# KiCad board RemBreak.kicad_pcb
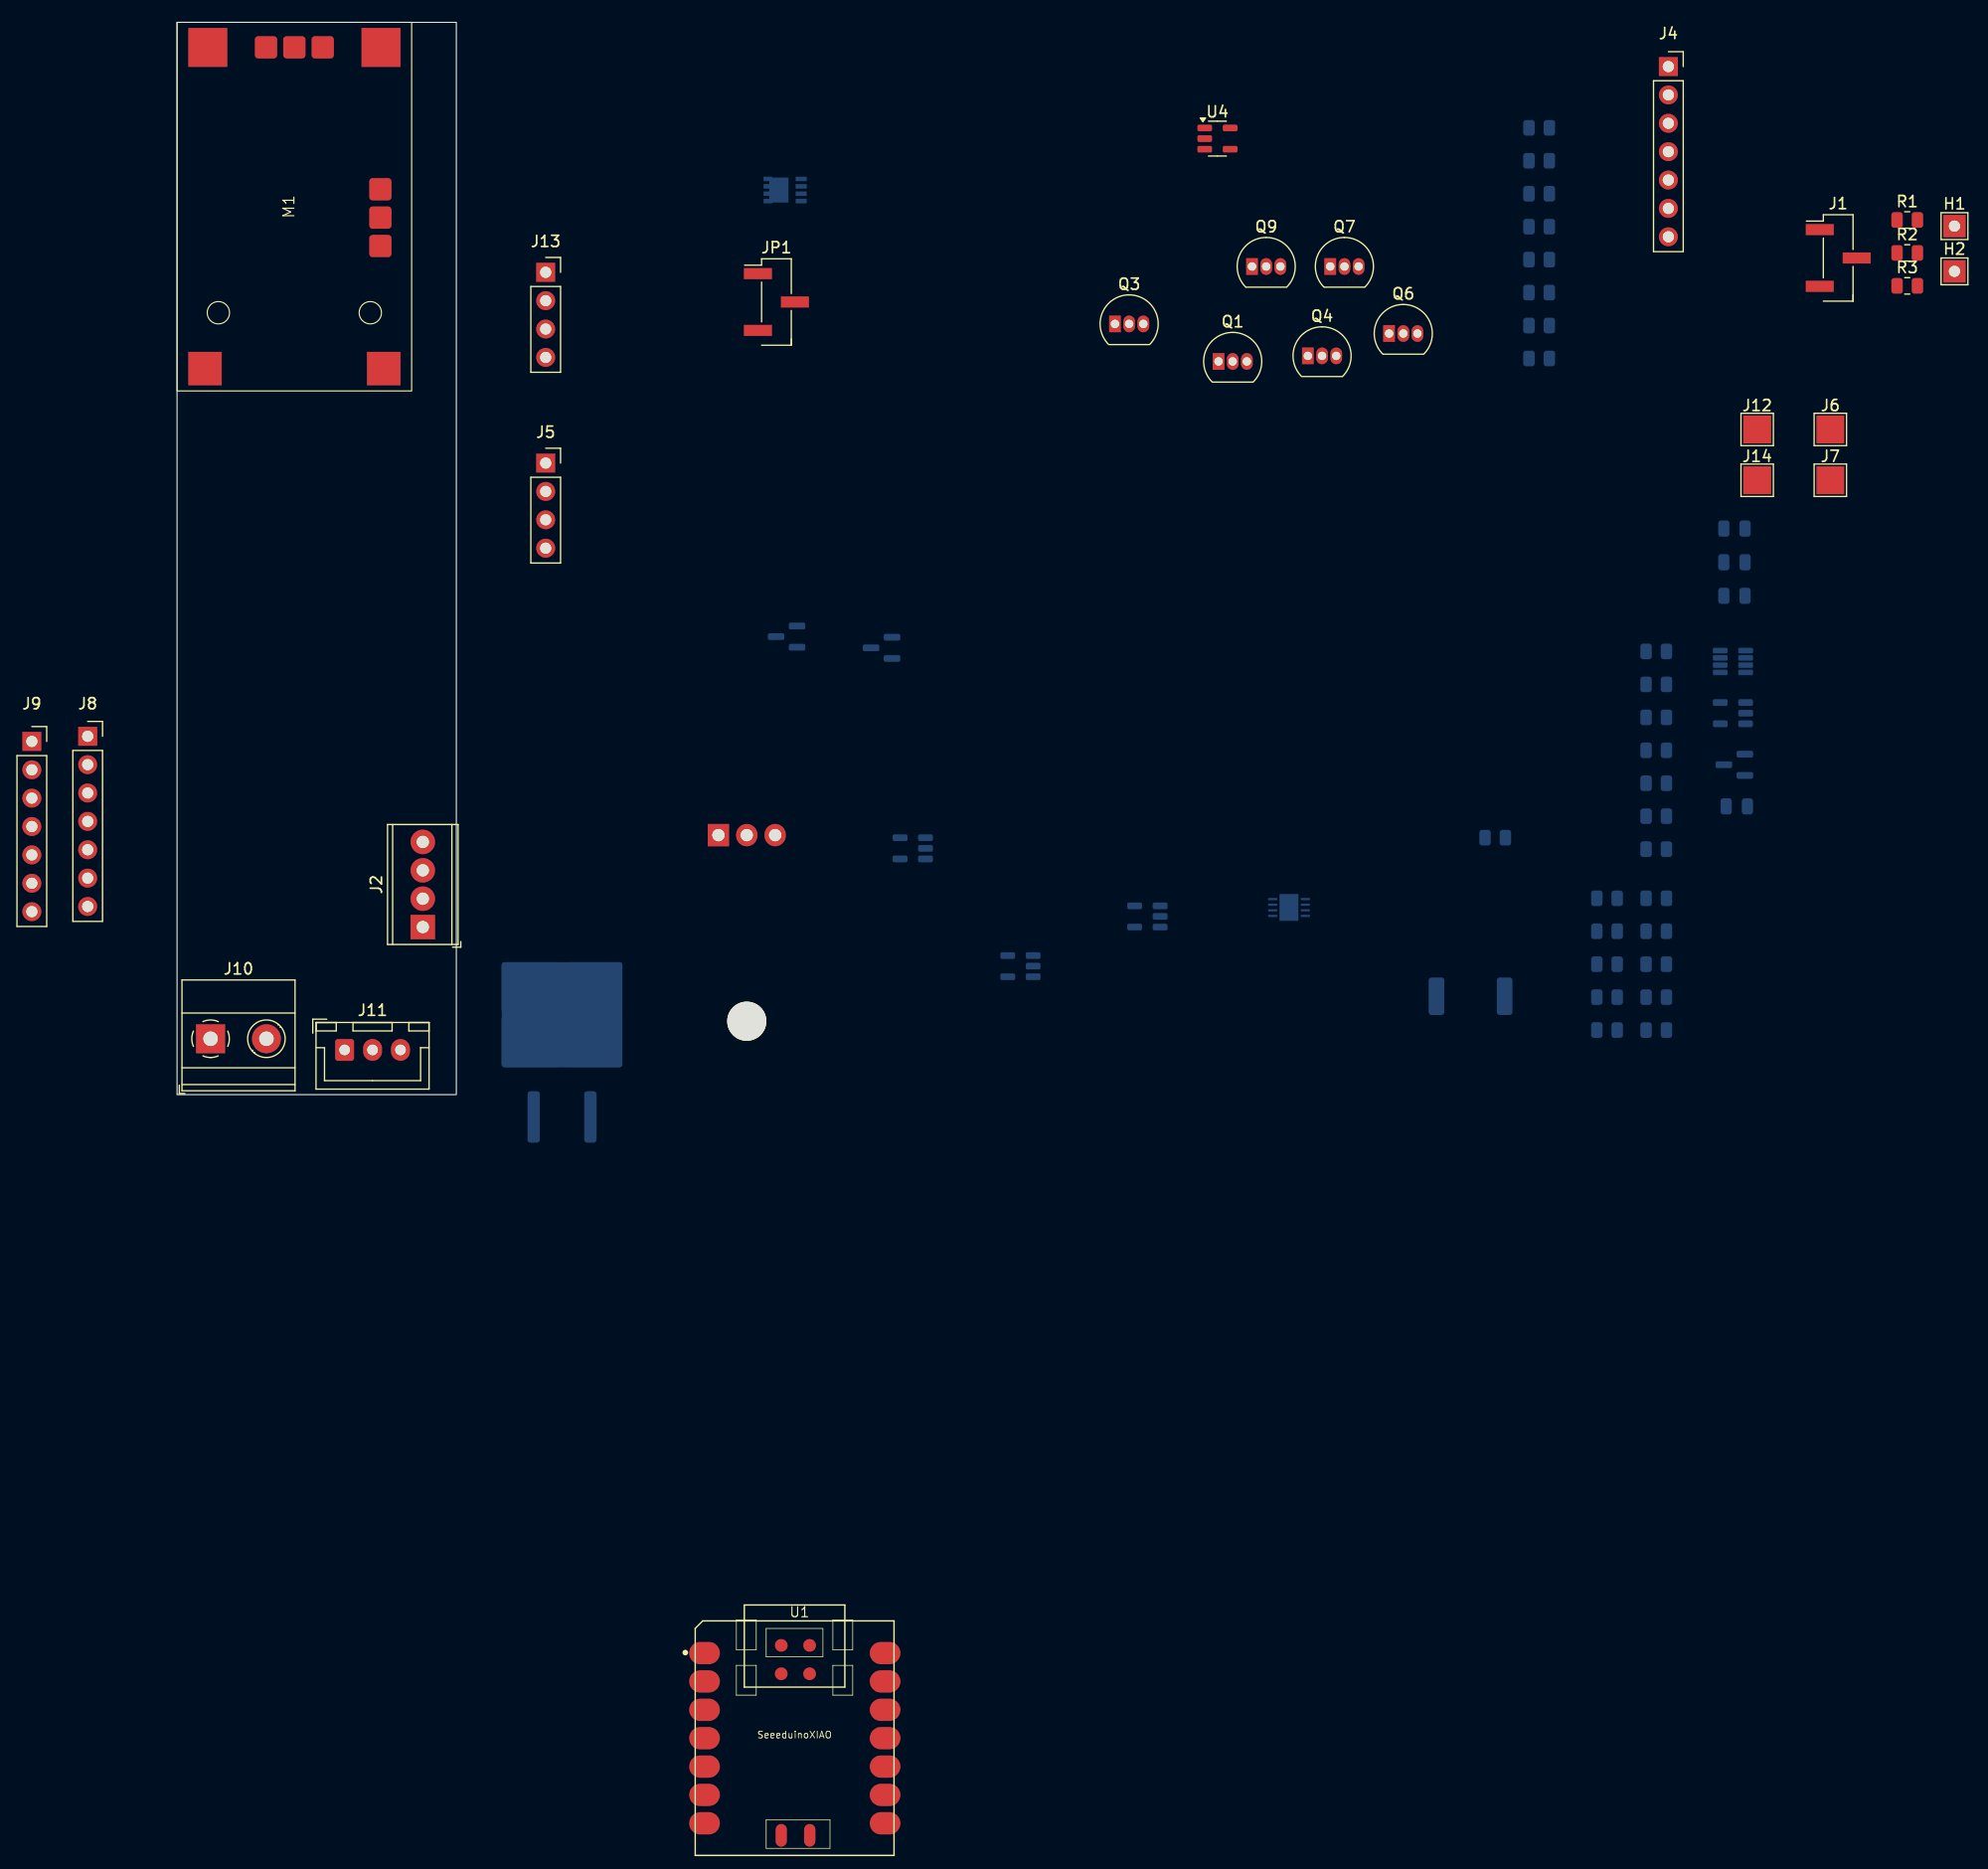
[diagram p0: board, top side]
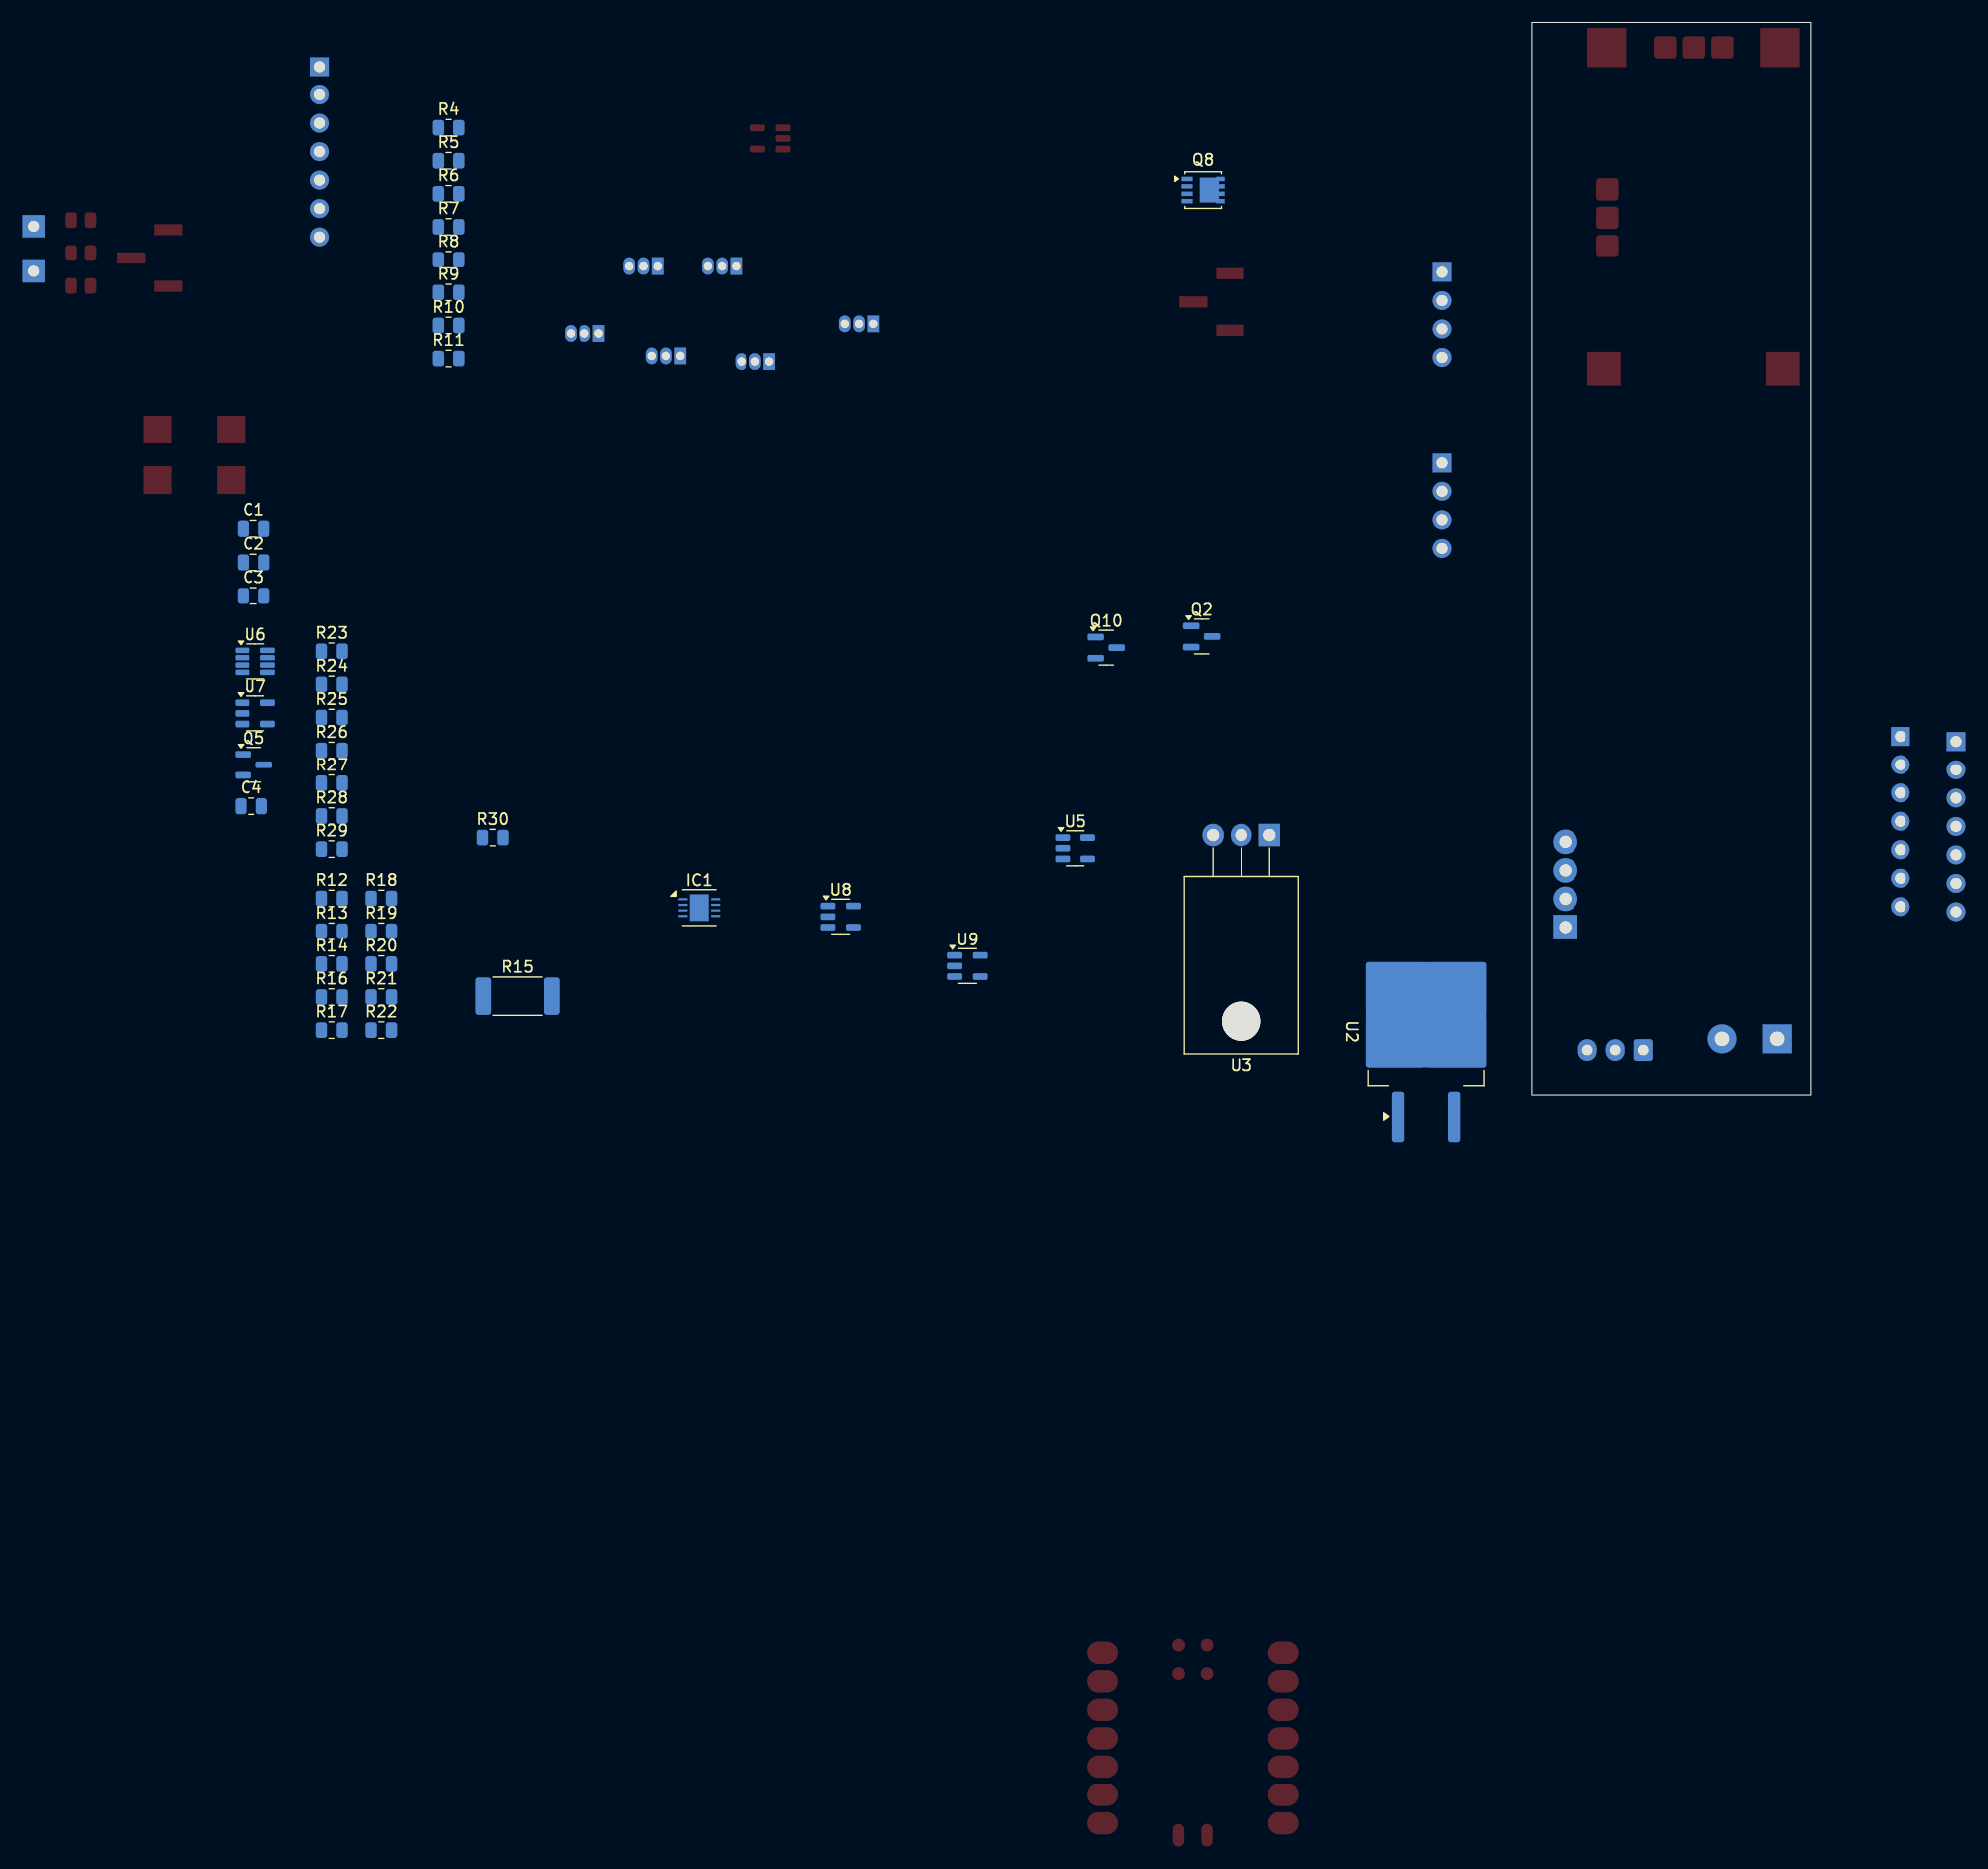
[diagram p1: board, bottom side, seen from below]

Outline 25 x 96 mm; copper layers: Top, Bottom. Coordinates in mm from the lower left corner of the outline.
Outline path: rectangle 0,96 25,0

## Placement (name value [footprint] x y rotation side)
C1  0.1uF  [C_0805_2012Metric]  139.42 50.67 180 bottom
C2  0.1uF  [C_0805_2012Metric]  139.42 47.67 180 bottom
C3  10uF  [C_0805_2012Metric]  139.42 44.66 180 bottom
C4  100nF  [C_0805_2012Metric]  139.63 25.81 180 bottom  (not fitted)
H1  MountingHole_Pad  [TestPoint_THTPad_2.0x2.0mm_Drill1.0mm]  159.11 77.75 0 top
H2  MountingHole_Pad  [TestPoint_THTPad_2.0x2.0mm_Drill1.0mm]  159.11 73.7 0 top
IC1  LTC2943IDD#TRPBF  [DFN-8-1EP_3x3mm_P0.5mm_EP1.7x2.4mm]  99.54 16.75 180 bottom
J1  Conn_01x03  [PinHeader_1x03_P2.54mm_Vertical_SMD_Pin1Left]  148.7 74.91 0 top
J2  Conn_01x04  [TerminalBlock_Phoenix_MPT-0,5-4-2.54_1x04_P2.54mm_Horizontal]  22 15 90 top
J4  Conn_01x07  [PinSocket_1x07_P2.54mm_Vertical]  133.5 92.04 0 top
J5  Conn_01x04  [PinSocket_1x04_P2.54mm_Vertical]  33 56.54 0 top
J6  Conn_01x01  [TestPoint_Pad_2.5x2.5mm]  148 59.55 0 top
J7  Conn_01x01  [TestPoint_Pad_2.5x2.5mm]  148 55 0 top
J8  Conn_01x07  [PinSocket_1x07_P2.54mm_Vertical]  -8 32.08 0 top
J9  Conn_01x07  [PinSocket_1x07_P2.54mm_Vertical]  -13 31.62 0 top
J10  Screw_Terminal_01x02  [TerminalBlock_Phoenix_MKDS-1,5-2_1x02_P5.00mm_Horizontal]  3 5 0 top
J11  Conn_01x03  [JST_XH_B3B-XH-A_1x03_P2.50mm_Vertical]  15 4 0 top
J12  Conn_01x01  [TestPoint_Pad_2.5x2.5mm]  141.45 59.55 0 top
J13  Conn_01x04  [PinSocket_1x04_P2.54mm_Vertical]  33 73.62 0 top
J14  Conn_01x01  [TestPoint_Pad_2.5x2.5mm]  141.45 55 0 top
JP1  Jumper_3_Open  [PinHeader_1x03_P2.54mm_Vertical_SMD_Pin1Left]  53.66 70.96 0 top
M1  ~  [USBC_charger]  10.5 79.5 90 top
Q1  BC337  [TO-92_Inline]  93.23 65.64 0 top
Q2  BC847  [SOT-23]  54.56 41 180 bottom  (not fitted)
Q3  BC337  [TO-92_Inline]  83.96 69 0 top
Q4  BC337  [TO-92_Inline]  101.23 66.14 0 top
Q5  BC847  [SOT-23]  139.41 29.53 180 bottom  (not fitted)
Q6  BC337  [TO-92_Inline]  108.5 68.14 0 top
Q7  BC337  [TO-92_Inline]  103.23 74.14 0 top
Q8  SiS415DNT  [Vishay_PowerPAK_1212-8_Single]  54.44 80.99 180 bottom
Q9  BC337  [TO-92_Inline]  96.23 74.14 0 top
Q10  BC847  [SOT-23]  63.06 40 180 bottom  (not fitted)
R1  0R  [R_0805_2012Metric]  154.88 78.31 0 top
R2  0R  [R_0805_2012Metric]  154.88 75.35 0 top  (not fitted)
R3  0R  [R_0805_2012Metric]  154.88 72.41 0 top  (not fitted)
R4  4k2  [R_0805_2012Metric]  121.93 86.56 180 bottom
R5  4k2  [R_0805_2012Metric]  121.93 83.6 180 bottom  (not fitted)
R6  5k  [R_0805_2012Metric]  121.93 80.66 180 bottom
R7  10k  [R_0805_2012Metric]  121.93 77.7 180 bottom
R8  4k2  [R_0805_2012Metric]  121.93 74.75 180 bottom  (not fitted)
R9  0R  [R_0805_2012Metric]  121.93 71.81 180 bottom
R10  10k  [R_0805_2012Metric]  121.93 68.85 180 bottom
R11  10k  [R_0805_2012Metric]  121.93 65.91 180 bottom
R12  10k  [R_0805_2012Metric]  132.42 17.58 180 bottom
R13  10k  [R_0805_2012Metric]  132.42 14.62 180 bottom
R14  10  [R_0805_2012Metric]  132.42 11.67 180 bottom
R15  001R  [R_2512_6332Metric_Pad1.40x3.35mm_HandSolder]  115.79 8.81 180 bottom
R16  10  [R_0805_2012Metric]  132.42 8.72 180 bottom
R17  4k2  [R_0805_2012Metric]  132.42 5.78 180 bottom
R18  4k2  [R_0805_2012Metric]  128.01 17.58 180 bottom  (not fitted)
R19  10k  [R_0805_2012Metric]  128.01 14.62 180 bottom
R20  4k2  [R_0805_2012Metric]  128.01 11.67 180 bottom  (not fitted)
R21  0R  [R_0805_2012Metric]  128.01 8.72 180 bottom
R22  10k  [R_0805_2012Metric]  128.01 5.78 180 bottom
R23  50k  [R_0805_2012Metric]  132.42 39.67 180 bottom
R24  100k  [R_0805_2012Metric]  132.42 36.72 180 bottom
R25  10k  [R_0805_2012Metric]  132.42 33.78 180 bottom
R26  10k  [R_0805_2012Metric]  132.42 30.83 180 bottom
R27  10k  [R_0805_2012Metric]  132.42 27.88 180 bottom
R28  0R  [R_0805_2012Metric]  132.42 24.92 180 bottom  (not fitted)
R29  0R  [R_0805_2012Metric]  132.42 21.97 180 bottom  (not fitted)
R30  47k  [R_0805_2012Metric]  118 23 180 bottom
U1  SeeeduinoXIAO  [Seeeduino XIAO-MOUDLE14P-2.54-21X17.8MM]  46.39 -68.12 0 top
U2  L7805  [TO-263-2]  34.46 5.65 90 bottom
U3  L7805  [TO-220-3_Horizontal_TabDown]  48.46 23.23 0 bottom  (not fitted)
U4  XC6220B331MR  [SOT-23-5]  93.13 85.59 0 top
U5  MAX40200AUK  [SOT-23-5]  65.86 22.05 180 bottom
U6  INA219BxDCN  [SOT-23-8]  139.28 38.78 180 bottom
U7  MAX40200AUK  [SOT-23-5]  139.28 34.15 180 bottom
U8  BD48ExxG  [SOT-23-5]  86.86 15.95 180 bottom
U9  BD48ExxG  [SOT-23-5]  75.5 11.5 180 bottom

## Library data of the parts
C1 C2 = -: Description: Polarized capacitor; ki_fp_filters: CP_*
C3 C4 = -: Description: Unpolarized capacitor; ki_fp_filters: C_*
H1 H2 = -: Description: Mounting Hole with connection; ki_fp_filters: MountingHole*Pad*
IC1 = -: Datasheet: https://www.mouser.in/datasheet/2/609/2943fa-1271567.pdf; Description: Battery Management 20V Battery Gas Gauge with Voltage, Current & Temperature Measurement; Height: 0.8; Mouser Part Number: 584-LTC2943IDD#TRPBF; Mouser Price/Stock: https://www.mouser.co.uk/ProductDetail/Analog-Devices/LTC2943IDDTRPBF?qs=hVkxg5c3xu8j%252BJ6DK3jV8w%3D%3D; Manufacturer_Name: Analog Devices
J1 J11 = -: Description: Generic connector, single row, 01x03, script generated (kicad-library-utils/schlib/autogen/connector/); ki_fp_filters: Connector*:*_1x??_*
J2 J5 J13 = -: Description: Generic connector, single row, 01x04, script generated (kicad-library-utils/schlib/autogen/connector/); ki_fp_filters: Connector*:*_1x??_*
J4 J8 J9 = -: Description: Generic connector, single row, 01x07, script generated (kicad-library-utils/schlib/autogen/connector/); ki_fp_filters: Connector*:*_1x??_*
J6 J7 J12 J14 = -: Description: Generic connector, single row, 01x01, script generated (kicad-library-utils/schlib/autogen/connector/); ki_fp_filters: Connector*:*_1x??_*
J10 = -: Description: Generic screw terminal, single row, 01x02, script generated (kicad-library-utils/schlib/autogen/connector/); ki_fp_filters: TerminalBlock*:*
JP1 = -: Description: Jumper, 3-pole, both open; ki_fp_filters: Jumper* TestPoint*3Pads* TestPoint*Bridge*
Q1 Q3 Q4 Q6 Q7 Q9 = -: Datasheet: https://diotec.com/tl_files/diotec/files/pdf/datasheets/bc337.pdf; Description: 0.8A Ic, 45V Vce, NPN Transistor, TO-92; ki_fp_filters: TO?92*
Q2 Q5 Q10 = -: Datasheet: http://www.infineon.com/dgdl/Infineon-BC847SERIES_BC848SERIES_BC849SERIES_BC850SERIES-DS-v01_01-en.pdf?fileId=db3a304314dca389011541d4630a1657; Description: 0.1A Ic, 45V Vce, NPN Transistor, SOT-23; ki_fp_filters: SOT?23*
Q8 = -: Datasheet: https://www.vishay.com/docs/63684/sis415dnt.pdf; Description: -35A Id, -20V Vds, P-Channel MOSFET, PowerPAK 1212-8 Single; ki_fp_filters: Vishay*PowerPAK*1212*Single*
R1-R30 = -: Description: Resistor; ki_fp_filters: R_*
U2 U3 = -: Datasheet: http://www.st.com/content/ccc/resource/technical/document/datasheet/41/4f/b3/b0/12/d4/47/88/CD00000444.pdf/files/CD00000444.pdf/jcr:content/translations/en.CD00000444.pdf; Description: Positive 1.5A 35V Linear Regulator, Fixed Output 5V, TO-220/TO-263/TO-252; ki_fp_filters: TO?252* TO?263* TO?220*
U4 = -: Datasheet: https://www.torexsemi.com/file/xc6220/XC6220.pdf; Description: 1A, Low Drop-out Voltage Regulator, Fixed Output 3.3V, SOT-23-5; ki_fp_filters: SOT?23*
U5 U7 = -: Datasheet: https://datasheets.maximintegrated.com/en/ds/MAX40200.pdf; Description: Ideal Diode, Ultra-Low Voltage Drop, 1.5-5.5V, 1A, SOT-23-5; ki_fp_filters: SOT?23*
U6 = -: Datasheet: http://www.ti.com/lit/ds/symlink/ina219.pdf; Description: Zero-Drift, HighAccuracy, Bidirectional Current/Power Monitor (0-26V) With I2C Interface, SOT-23-8; ki_fp_filters: SOT?23*
U8 U9 = -: Datasheet: https://www.rohm.de/datasheet/BD4830FVE/bd48xxg-e; Description: Standard CMOS Voltage Detector IC, Open Drain Output, SSOP5; ki_fp_filters: *SOT-23*5*

## Footprints (pads in the part's own frame, mm; a bottom-side part is the same pattern mirrored in y, then rotated)
C_0805_2012Metric
  rrect 1x1.45 smd: 1(-0.95,0) 2(0.95,0)
DFN-8-1EP_3x3mm_P0.5mm_EP1.7x2.4mm
  rrect 1.37x1.93 smd: (0,0)
  rrect 0.825x0.2 smd: 1(-1.462,0.75) 2(-1.462,0.25) 3(-1.462,-0.25) 4(-1.462,-0.75) 5(1.462,-0.75) 6(1.462,-0.25) 7(1.462,0.25) 8(1.462,0.75)
  rect 1.7x2.4 smd: 9(0,0)
JST_XH_B3B-XH-A_1x03_P2.50mm_Vertical
  rrect 1.7x1.95 hole 0.95: 1(0,0)
  oval 1.7x1.95 hole 0.95: 2(2.5,0) 3(5,0)
PinHeader_1x03_P2.54mm_Vertical_SMD_Pin1Left
  rect 2.51x1 smd: 1(-1.655,2.54) 2(1.655,0) 3(-1.655,-2.54)
PinSocket_1x04_P2.54mm_Vertical
  rect 1.7x1.7 hole 1: 1(0,0)
  oval 1.7x1.7 hole 1: 2(0,-2.54) 3(0,-5.08) 4(0,-7.62)
PinSocket_1x07_P2.54mm_Vertical
  rect 1.7x1.7 hole 1: 1(0,0)
  oval 1.7x1.7 hole 1: 2(0,-2.54) 3(0,-5.08) 4(0,-7.62) 5(0,-10.16) 6(0,-12.7) 7(0,-15.24)
R_0805_2012Metric
  rrect 1.025x1.4 smd: 1(-0.912,0) 2(0.912,0)
R_2512_6332Metric_Pad1.40x3.35mm_HandSolder
  rrect 1.4x3.35 smd: 1(-3.05,0) 2(3.05,0)
Seeeduino XIAO-MOUDLE14P-2.54-21X17.8MM
  oval 2.748x1.999 smd: 1(0.833,18.118) 2(0.833,15.578) 3(0.833,13.038) 4(0.833,10.498) 5(0.833,7.958) 6(0.833,5.418) 7(0.833,2.878) 8(16.998,2.878) 9(16.998,5.418) 10(16.998,7.958) 11(16.998,10.498) 12(16.998,13.038) 13(16.998,15.578) 14(16.998,18.118)
  oval 1.016x2.032 smd: 15(7.7,1.8) 16(10.25,1.8)
  round 1.143 smd: 17(7.699,18.804) 18(10.239,18.804) 19(7.699,16.264) 20(10.239,16.264)
SOT-23
  rrect 1.475x0.6 smd: 1(-0.938,0.95) 2(-0.938,-0.95) 3(0.938,0)
SOT-23-5
  rrect 1.325x0.6 smd: 1(-1.137,0.95) 2(-1.137,0) 3(-1.137,-0.95) 4(1.137,-0.95) 5(1.137,0.95)
SOT-23-8
  rrect 1.325x0.5 smd: 1(-1.137,0.975) 2(-1.137,0.325) 3(-1.137,-0.325) 4(-1.137,-0.975) 5(1.137,-0.975) 6(1.137,-0.325) 7(1.137,0.325) 8(1.137,0.975)
TerminalBlock_Phoenix_MKDS-1,5-2_1x02_P5.00mm_Horizontal
  rect 2.6x2.6 hole 1.3: 1(0,0)
  round 2.6 hole 1.3: 2(5,0)
TerminalBlock_Phoenix_MPT-0,5-4-2.54_1x04_P2.54mm_Horizontal
  rect 2.2x2.2 hole 1.1: 1(0,0)
  round 2.2 hole 1.1: 2(2.54,0) 3(5.08,0) 4(7.62,0)
TestPoint_Pad_2.5x2.5mm
  rect 2.5x2.5 smd: 1(0,0)
TestPoint_THTPad_2.0x2.0mm_Drill1.0mm
  rect 2x2 hole 1: 1(0,0)
TO-92_Inline
  rect 1.05x1.5 hole 0.75: 1(0,0)
  oval 1.05x1.5 hole 0.75: 2(1.27,0) 3(2.54,0)
TO-220-3_Horizontal_TabDown
  round 3.5 hole 3.5 unplated: (2.54,16.66)
  rect 1.905x2 hole 1.1: 1(0,0)
  oval 1.905x2 hole 1.1: 2(2.54,0) 3(5.08,0)
TO-263-2
  rrect 4.6x1.1 smd: 1(-7.65,2.54) 3(-7.65,-2.54)
  rrect 4.55x5.25 smd: 2(-0.925,-2.775) 2(-0.925,2.775) 2(3.925,-2.775) 2(3.925,2.775)
  rrect 9.4x10.8 smd: 2(1.5,0)
USBC_charger
  rect 3x3 smd: 1(-14.5,8) 2(-14.5,-8)
  rrect 2x2 smd: 2(1.555,-7.7) 3(14.265,-2.54) 4(14.265,0) 5(14.265,2.54) 6(-3.525,-7.7) 7(-0.985,-7.7)
  rect 3.5x3.5 smd: 3(14.25,-7.75) 5(14.25,7.75)
Vishay_PowerPAK_1212-8_Single
  rect 0.99x0.405 smd: 1(-1.435,0.99) 2(-1.435,0.33) 3(-1.435,-0.33) 4(-1.435,-0.99)
  custom 2.235x2.39 smd: 5(0.557,0)

## Nets
+3V3: J5.1 J9.5 R11.1 R12.1 R13.1 R19.1 R22.1 U5.5 U6.4
+5V: C2.1 J4.2 J13.3 R10.2 U2.3 U3.3 U4.1
/break_control/VBUS: J9.7 R30.2 U7.1 U9.2
/power_manager/VBATT: IC1.1 J14.1 M1.3 Q8.5 R15.2 R16.1 R26.1
GND: C1.2 C2.2 C3.2 H1.1 H2.1 IC1.2 IC1.3 IC1.7 IC1.9 J1.2 J2.2 J4.1 J5.2 J9.6 J10.1 J11.1 J13.4 M1.2 M1.5 Q2.2 Q3.3 Q5.2 Q6.3 Q7.3 Q9.3 R7.1 R8.1 R9.1 R20.1 R21.1 R24.1 U2.2 U3.2 U4.2 U5.2 U6.3 U6.7 U6.8 U7.2 U8.3 U9.3
/break_control/BALARM: J9.2
/break_control/BUTTON: J2.3 J8.7 R11.2
/break_control/BUZZ_pwr: J7.1 R1.2 R3.1
/break_control/CHARGING: J9.3
/break_control/EN: Q3.2 U7.3
/break_control/PWR: C1.1 J12.1 R1.1 R23.2 R25.2 U2.1 U3.1
/break_control/SCL: J5.3 J8.6
/break_control/SDA: J5.4 J8.5
/break_control/SERVO: J1.3 J8.1
/power_manager/BALARM: IC1.6 R22.2
/power_manager/CHARGING: Q4.1 Q5.3 R19.2
/power_switch/EN: JP1.2 R30.1 U9.1
/power_switch/SERVO_pwr: J1.1 Q8.1 Q8.2 Q8.3
Button_RF: J8.2 R6.1 R7.2
BUZZ: J9.4 R4.1 R5.1
Indicator_dcki: J8.4 J13.2
Indicator_di: J8.3 J13.1
Net-(IC1-SENSE-): IC1.8 J10.2 J11.3 R14.1 R15.1
Net-(J2-Pin_1): J2.1 R2.2
Net-(J2-Pin_4): J2.4 R2.1 R3.2
Net-(J4-Pin_3): J4.3 R6.2
Net-(J6-Pin_1): J6.1 Q1.1 Q2.3
Net-(J11-Pin_2): J11.2 M1.4
Net-(JP1-A): JP1.1 Q6.2
Net-(JP1-B): JP1.3 Q9.1
Net-(M1-LED): M1.6 R17.1 R18.1
Net-(M1-Vin): M1.1 U7.5
Net-(Q1-B): Q1.2 Q2.1 R4.2 R8.2
Net-(Q1-E): Q1.3 R5.2 R9.2
Net-(Q3-C): Q3.1 R10.1 U4.3 U5.3
Net-(Q4-B): Q4.2 Q5.1 R17.2 R20.2
Net-(Q4-E): Q4.3 R18.2 R21.2
Net-(Q6-C): Q6.1 Q7.2 Q9.2 R25.1 U8.1
Net-(Q7-C): Q7.1 R27.1
Net-(Q8-G): Q8.4 R26.2 R27.2
Net-(U4-VOUT): C3.1 U4.5 U5.1
Net-(U6-IN+): C4.2 R16.2 U6.1
Net-(U6-IN-): C4.1 R14.2 U6.2
Net-(U8-VDD): R23.1 R24.2 U8.2

Pads without a net: IC1 4 5; J4 4 5 6 7; J9 1; M1 7; Q10 1 2 3; R12 2; R13 2; R28 1 2; R29 1 2; U1 1 2 3 4 5 6 7 8 9 10 11 12 13 14 15 16 17 18 19 20; U4 4; U5 4; U6 5 6; U7 4; U8 4 5; U9 4 5

## Text on the board
User.1: USB C uplne dolu do kraje | LED indikator externi THT | sirena jako externi | sroubovaci terminal na konektor na handlebar | Dodat Pavlovi sirenu a LEDku STEP
